# KiCad board T248 Reverse engeneer.kicad_pcb
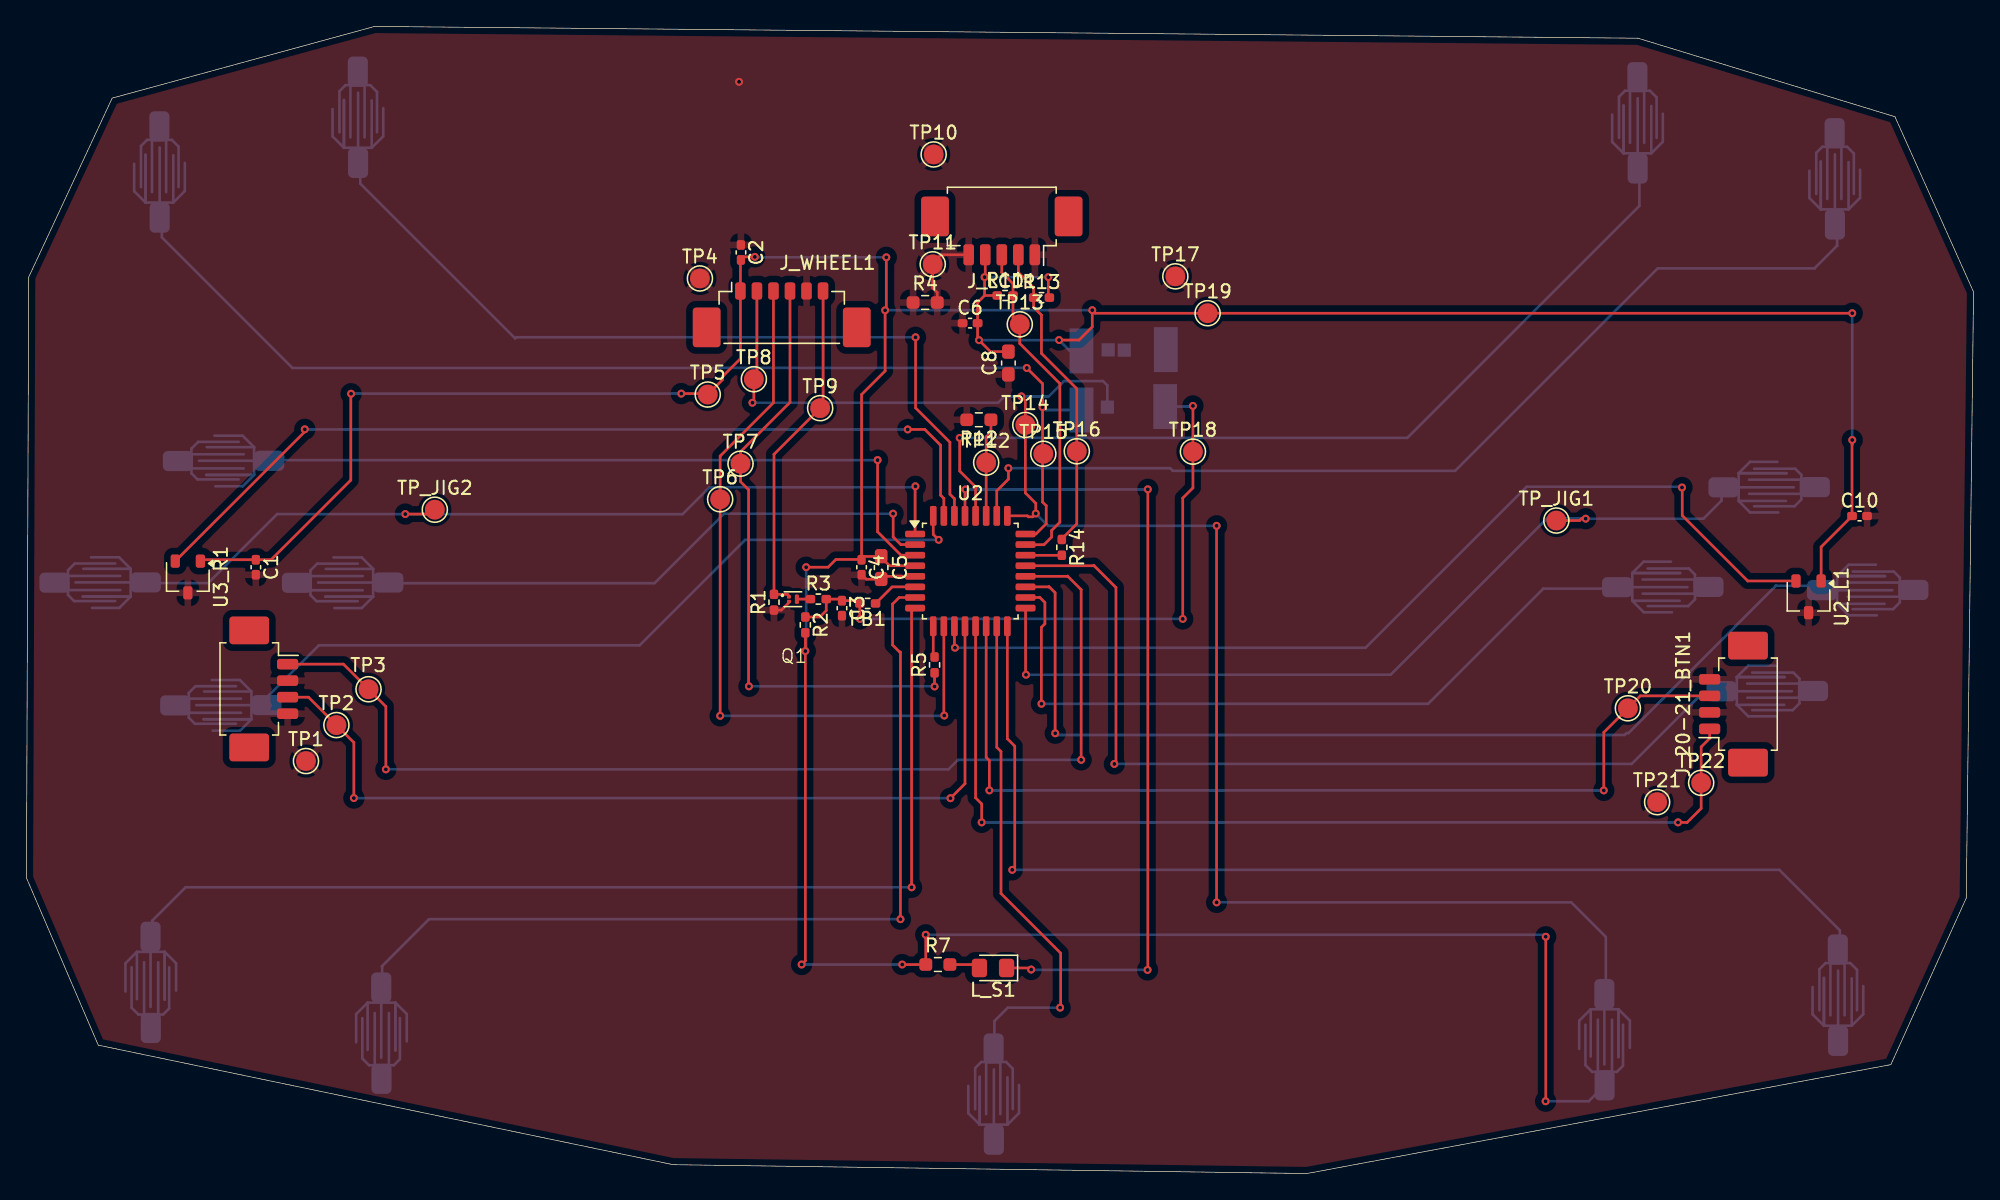
[diagram p0: board, top side]
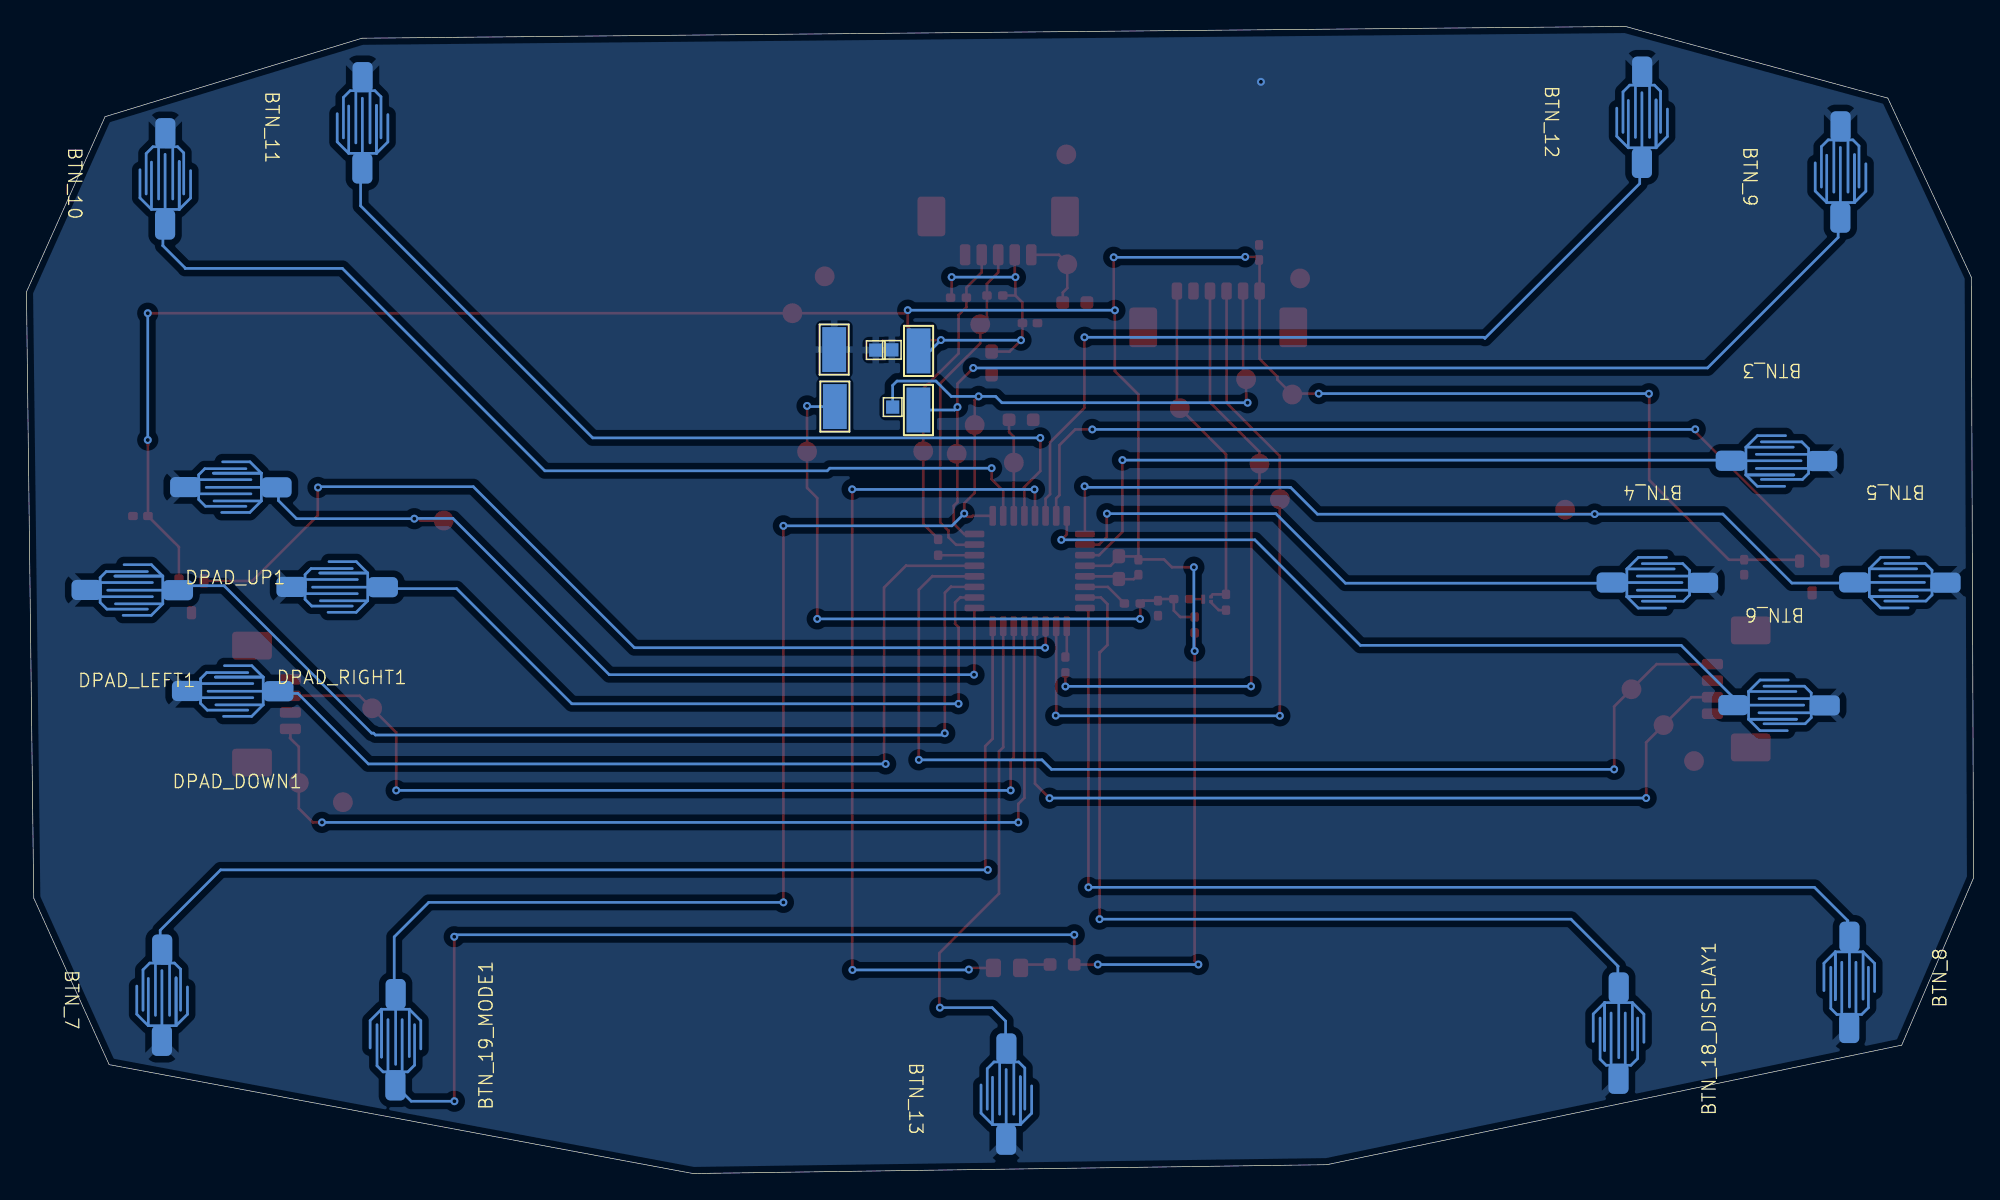
[diagram p1: board, bottom side, seen from below]

Outline 147.19 x 86.76 mm; copper layers: Top, Bottom. Coordinates in mm from the lower left corner of the outline.
Outline path: 0,22.36 0.17,67.8 6.48,81.34 26.31,86.76 121.82,85.87 141.25,79.93 147.19,66.68 146.64,20.84 140.94,8.24 96.78,0 48.88,0.67 5.43,9.71 0,22.36
Stack: Top 0.035mm / dielectric 1.51mm FR4 er 4.5 / Bottom 0.035mm

## Placement (name value [footprint] x y rotation side)
BTN_3  SW_Push  [Rubberdome PCB Steering Wheel]  15.24 53.24 0 bottom
BTN_4  SW_Push  [Rubberdome PCB Steering Wheel]  24.24 44.03 0 bottom
BTN_5  SW_Push  [Rubberdome PCB Steering Wheel]  5.91 44.04 0 bottom
BTN_6  SW_Push  [Rubberdome PCB Steering Wheel]  15.04 34.76 0 bottom
BTN_7  SW_Push  [Rubberdome PCB Steering Wheel]  136.28 13.15 270 bottom
BTN_8  SW_Push  [Rubberdome PCB Steering Wheel]  10.05 14.8 90 bottom
BTN_9  SW_Push  [Rubberdome PCB Steering Wheel]  9.4 75.41 270 bottom
BTN_10  SW_Push  [Rubberdome PCB Steering Wheel]  136.04 74.89 270 bottom
BTN_11  SW_Push  [Rubberdome PCB Steering Wheel]  121.13 79.13 270 bottom
BTN_12  SW_Push  [Rubberdome PCB Steering Wheel]  24.4 79.55 270 bottom
BTN_13  SW_Push  [Rubberdome PCB Steering Wheel]  72.46 5.67 270 bottom
BTN_18_DISPLAY1  SW_Push  [Rubberdome PCB Steering Wheel]  27.49 10.96 90 bottom
BTN_19_MODE1  SW_Push  [Rubberdome PCB Steering Wheel]  119.95 10.46 90 bottom
C1  C  [C_0402_1005Metric_Pad0.74x0.62mm_HandSolder]  17.34 45.86 270 top
C2  C  [C_0402_1005Metric_Pad0.74x0.62mm_HandSolder]  54.01 69.67 270 top
C3  C  [C_0402_1005Metric_Pad0.74x0.62mm_HandSolder]  61.65 42.76 270 top
C4  C  [C_0402_1005Metric_Pad0.74x0.62mm_HandSolder]  63.13 45.86 270 top
C5  C  [C_0603_1608Metric_Pad1.08x0.95mm_HandSolder]  64.61 45.83 270 top
C6  C  [C_0402_1005Metric_Pad0.74x0.62mm_HandSolder]  71.33 64.32 0 top
C8  C  [C_0603_1608Metric_Pad1.08x0.95mm_HandSolder]  74.23 61.3 90 top
C10  C  [C_0402_1005Metric_Pad0.74x0.62mm_HandSolder]  138.57 49.73 0 top
DPAD_DOWN1  SW_Push  [Rubberdome PCB Steering Wheel]  131.26 37.15 180 bottom
DPAD_LEFT1  SW_Push  [Rubberdome PCB Steering Wheel]  138.85 44.79 180 bottom
DPAD_RIGHT1  SW_Push  [Rubberdome PCB Steering Wheel]  123.36 45.02 180 bottom
DPAD_UP1  SW_Push  [Rubberdome PCB Steering Wheel]  131.4 52.57 180 bottom
FB1  0.5  [R_0402_1005Metric_Pad0.72x0.64mm_HandSolder]  63.59 43.12 180 top
J_20-21_BTN1  Conn_01x04  [Molex_PicoBlade_53261-0471_1x04-1MP_P1.25mm_Horizontal]  129.64 35.5 90 top
J_22-23_BTN1  Conn_01x04  [Molex_PicoBlade_53261-0471_1x04-1MP_P1.25mm_Horizontal]  17.34 36.66 270 top
J_DEBUG_1  TestPoint  [TestPoint_Keystone_5015_Micro-Minature]  79.75 62.22 270 bottom
J_DEBUG_2  TestPoint  [TestPoint_Pad_1.0x1.0mm]  81.77 62.3 180 bottom
J_DEBUG_3  TestPoint  [TestPoint_Pad_1.0x1.0mm]  82.99 62.28 180 bottom
J_DEBUG_5  TestPoint  [TestPoint_Keystone_5015_Micro-Minature]  86.13 62.32 90 bottom
J_DEBUG_6  TestPoint  [TestPoint_Keystone_5015_Micro-Minature]  86.08 58.01 90 bottom
J_DEBUG_9  TestPoint  [TestPoint_Pad_1.0x1.0mm]  81.71 57.97 180 bottom
J_DEBUG_10  TestPoint  [TestPoint_Keystone_5015_Micro-Minature]  79.76 57.75 90 bottom
J_LCD1  Conn_01x05  [Molex_PicoBlade_53261-0571_1x05-1MP_P1.25mm_Horizontal]  73.73 71.89 180 top
J_WHEEL1  Conn_01x06  [Molex_PicoBlade_53398-0671_1x06-1MP_P1.25mm_Vertical]  57.09 65.5 0 top
L_S1  LED  [LED_0805_2012Metric_Pad1.15x1.40mm_HandSolder]  73.06 15.55 180 top
Q1  Q_NMOS_DGS  [0806 mosfet]  57.95 43.42 0 top
R1  10k  [R_0402_1005Metric_Pad0.72x0.64mm_HandSolder]  56.51 43.21 90 top
R2  10k  [R_0402_1005Metric_Pad0.72x0.64mm_HandSolder]  58.88 41.5 270 top
R3  33  [R_0402_1005Metric_Pad0.72x0.64mm_HandSolder]  59.86 43.45 0 top
R4  0  [R_0603_1608Metric_Pad0.98x0.95mm_HandSolder]  67.94 65.88 0 top
R5  27.5  [R_0402_1005Metric_Pad0.72x0.64mm_HandSolder]  68.65 38.47 90 top
R7  100  [R_0603_1608Metric_Pad0.98x0.95mm_HandSolder]  68.9 15.81 0 top
R11  4.7k  [R_0402_1005Metric_Pad0.72x0.64mm_HandSolder]  73.98 66.41 0 top
R12  100  [R_0603_1608Metric_Pad0.98x0.95mm_HandSolder]  72 57.01 180 top
R13  4.7 k  [R_0402_1005Metric_Pad0.72x0.64mm_HandSolder]  76.73 66.25 0 top
R14  27.5  [R_0402_1005Metric_Pad0.72x0.64mm_HandSolder]  78.27 47.36 270 top
TP1  TestPoint  [TestPoint_Pad_D1.5mm]  21.13 31.2 0 top
TP2  TestPoint  [TestPoint_Pad_D1.5mm]  23.43 33.92 0 top
TP3  TestPoint  [TestPoint_Pad_D1.5mm]  25.86 36.63 0 top
TP4  TestPoint  [TestPoint_Pad_D1.5mm]  50.91 67.7 0 top
TP5  TestPoint  [TestPoint_Pad_D1.5mm]  51.5 58.92 0 top
TP6  TestPoint  [TestPoint_Pad_D1.5mm]  52.44 51 0 top
TP7  TestPoint  [TestPoint_Pad_D1.5mm]  53.98 53.69 0 top
TP8  TestPoint  [TestPoint_Pad_D1.5mm]  54.99 60.08 0 top
TP9  TestPoint  [TestPoint_Pad_D1.5mm]  60 57.89 0 top
TP10  TestPoint  [TestPoint_Pad_D1.5mm]  68.58 77.08 0 top
TP11  TestPoint  [TestPoint_Pad_D1.5mm]  68.51 68.77 0 top
TP12  TestPoint  [TestPoint_Pad_D1.5mm]  72.55 53.77 0 top
TP13  TestPoint  [TestPoint_Pad_D1.5mm]  75.09 64.23 0 top
TP14  TestPoint  [TestPoint_Pad_D1.5mm]  75.51 56.62 0 top
TP15  TestPoint  [TestPoint_Pad_D1.5mm]  76.87 54.44 0 top
TP16  TestPoint  [TestPoint_Pad_D1.5mm]  79.4 54.63 0 top
TP17  TestPoint  [TestPoint_Pad_D1.5mm]  86.85 67.86 0 top
TP18  TestPoint  [TestPoint_Pad_D1.5mm]  88.18 54.6 0 top
TP19  TestPoint  [TestPoint_Pad_D1.5mm]  89.29 65.07 0 top
TP20  TestPoint  [TestPoint_Pad_D1.5mm]  121.06 35.19 0 top
TP21  TestPoint  [TestPoint_Pad_D1.5mm]  123.27 28.09 0 top
TP22  TestPoint  [TestPoint_Pad_D1.5mm]  126.6 29.55 0 top
TP_JIG1  TestPoint  [TestPoint_Pad_D1.5mm]  115.65 49.39 0 top
TP_JIG2  TestPoint  [TestPoint_Pad_D1.5mm]  30.87 50.21 0 top
U2  STM32G030K6Tx  [LQFP-32_7x7mm_P0.8mm]  71.35 45.57 0 top
U2_L1  A1101ELHL  [SOT-23W]  134.72 43.62 270 top
U3_R1  A1101ELHL  [SOT-23W]  12.2 45.12 270 top

## Library data of the parts
BTN_3-BTN_13 BTN_18_DISPLAY1 BTN_19_MODE1 DPAD_DOWN1 DPAD_LEFT1 DPAD_RIGHT1 DPAD_UP1 = -: Description: Push button switch, generic, two pins
C1-C6 C8 C10 = -: Description: Unpolarized capacitor; ki_fp_filters: C_*
FB1 R1-R5 R7 R11-R14 = -: Description: Resistor; ki_fp_filters: R_*
J_20-21_BTN1 J_22-23_BTN1 = -: Description: Generic connector, single row, 01x04, script generated (kicad-library-utils/schlib/autogen/connector/); ki_fp_filters: Connector*:*_1x??_*
J_DEBUG_1-J_DEBUG_3 J_DEBUG_5 J_DEBUG_6 J_DEBUG_9 J_DEBUG_10 TP1-TP22 TP_JIG1 TP_JIG2 = -: Description: test point; ki_fp_filters: Pin* Test*
J_LCD1 = -: Description: Generic connector, single row, 01x05, script generated (kicad-library-utils/schlib/autogen/connector/); ki_fp_filters: Connector*:*_1x??_*
J_WHEEL1 = -: Description: Generic connector, single row, 01x06, script generated (kicad-library-utils/schlib/autogen/connector/); ki_fp_filters: Connector*:*_1x??_*
L_S1 = -: Description: Light emitting diode; ki_fp_filters: LED* LED_SMD:* LED_THT:*
Q1 = -: Description: N-MOSFET transistor, drain/gate/source
U2 = -: Datasheet: https://www.st.com/resource/en/datasheet/stm32g030k6.pdf; Description: STMicroelectronics Arm Cortex-M0+ MCU, 32KB flash, 8KB RAM, 64 MHz, 2.0-3.6V, 29 GPIO, LQFP32; ki_fp_filters: LQFP*7x7mm*P0.8mm*
U2_L1 U3_R1 = -: Datasheet: https://www.allegromicro.com/-/media/files/datasheets/a110x-datasheet.ashx; Description: Hall effect switch, unipolar, Bop=100G, Brp=45G, -40C to +85C, SOT-23W; ki_fp_filters: SOT?23*

## Footprints (pads in the part's own frame, mm; a bottom-side part is the same pattern mirrored in y, then rotated)
0806 mosfet
  rrect 0.3x0.7 smd: 1(0.29,0.02)
  rrect 0.3x0.25 smd: 2(-0.31,0.195) 3(-0.31,-0.155)
C_0402_1005Metric_Pad0.74x0.62mm_HandSolder
  rrect 0.735x0.62 smd: 1(-0.568,0) 2(0.568,0)
C_0603_1608Metric_Pad1.08x0.95mm_HandSolder
  rrect 1.075x0.95 smd: 1(-0.863,0) 2(0.863,0)
LED_0805_2012Metric_Pad1.15x1.40mm_HandSolder
  rrect 1.15x1.4 smd: 1(-1.025,0) 2(1.025,0)
LQFP-32_7x7mm_P0.8mm
  rrect 1.5x0.5 smd: 1(-4.175,2.8) 2(-4.175,2) 3(-4.175,1.2) 4(-4.175,0.4) 5(-4.175,-0.4) 6(-4.175,-1.2) 7(-4.175,-2) 8(-4.175,-2.8) 17(4.175,-2.8) 18(4.175,-2) 19(4.175,-1.2) 20(4.175,-0.4) 21(4.175,0.4) 22(4.175,1.2) 23(4.175,2) 24(4.175,2.8)
  rrect 0.5x1.5 smd: 9(-2.8,-4.175) 10(-2,-4.175) 11(-1.2,-4.175) 12(-0.4,-4.175) 13(0.4,-4.175) 14(1.2,-4.175) 15(2,-4.175) 16(2.8,-4.175) 25(2.8,4.175) 26(2,4.175) 27(1.2,4.175) 28(0.4,4.175) 29(-0.4,4.175) 30(-1.2,4.175) 31(-2,4.175) 32(-2.8,4.175)
Molex_PicoBlade_53261-0471_1x04-1MP_P1.25mm_Horizontal
  rrect 0.8x1.6 smd: 1(-1.875,2.4) 2(-0.625,2.4) 3(0.625,2.4) 4(1.875,2.4)
  rrect 2.1x3 smd: MP(-4.425,-0.5) MP(4.425,-0.5)
Molex_PicoBlade_53261-0571_1x05-1MP_P1.25mm_Horizontal
  rrect 0.8x1.6 smd: 1(-2.5,2.4) 2(-1.25,2.4) 3(0,2.4) 4(1.25,2.4) 5(2.5,2.4)
  rrect 2.1x3 smd: MP(-5.05,-0.5) MP(5.05,-0.5)
Molex_PicoBlade_53398-0671_1x06-1MP_P1.25mm_Vertical
  rrect 0.8x1.3 smd: 1(-3.125,1.25) 2(-1.875,1.25) 3(-0.625,1.25) 4(0.625,1.25) 5(1.875,1.25) 6(3.125,1.25)
  rrect 2.1x3 smd: MP(-5.675,-1.5) MP(5.675,-1.5)
R_0402_1005Metric_Pad0.72x0.64mm_HandSolder
  rrect 0.715x0.64 smd: 1(-0.598,0) 2(0.598,0)
R_0603_1608Metric_Pad0.98x0.95mm_HandSolder
  rrect 0.975x0.95 smd: 1(-0.912,0) 2(0.912,0)
Rubberdome PCB Steering Wheel
  rrect 2.286x1.524 smd: 1(3.11,-0.67) 2(-3.79,-0.65)
SOT-23W
  rrect 1x0.7 smd: 1(-1.2,0.95) 2(-1.2,-0.95) 3(1.2,0)
TestPoint_Keystone_5015_Micro-Minature
  rect 3.4x1.8 smd: 1(0,0)
TestPoint_Pad_1.0x1.0mm
  rect 1x1 smd: 1(0,0)
TestPoint_Pad_D1.5mm
  round 1.5 smd: 1(0,0)

## Nets
+3V3: BTN_19_MODE1.2 C1.1 C2.2 C4.1 C5.1 C6.2 C8.2 C10.1 J_DEBUG_1.1 J_LCD1.4 J_WHEEL1.1 R2.2 R7.1 R11.1 R13.2 TP5.1 TP19.1 U2.4 U2_L1.1 U3_R1.1
GND: BTN_3.2 BTN_4.2 BTN_5.2 BTN_6.2 BTN_7.1 BTN_8.2 BTN_9.2 BTN_10.2 BTN_11.2 BTN_12.2 BTN_13.1 BTN_18_DISPLAY1.2 C1.2 C2.1 C3.2 C4.2 C5.2 C6.1 C8.1 C10.2 DPAD_DOWN1.2 DPAD_LEFT1.2 DPAD_RIGHT1.2 DPAD_UP1.2 J_20-21_BTN1.2 J_20-21_BTN1.4 J_22-23_BTN1.2 J_22-23_BTN1.4 J_DEBUG_2.1 J_DEBUG_3.1 J_DEBUG_5.1 J_LCD1.1 J_LCD1.5 J_WHEEL1.5 Q1.3 R1.1 R4.1 R4.2 R12.2 TP1.1 TP4.1 TP10.1 TP11.1 TP17.1 TP21.1 U2.5 U2_L1.3 U3_R1.3
NRST: FB1.1 U2.6
PA0: BTN_18_DISPLAY1.1 U2.7
PA1: BTN_8.1 U2.8
PA2: R5.2 U2.9
PA3: J_WHEEL1.3 TP6.1 U2.10
PA4: U2.11 U2_L1.2
PA5: J_22-23_BTN1.3 TP2.1 U2.12
PA6: J_20-21_BTN1.1 TP22.1 U2.13
PA7: J_20-21_BTN1.3 TP20.1 U2.14
PA8: DPAD_RIGHT1.1 U2.18
PA9: DPAD_LEFT1.1 U2.19
PA10: DPAD_DOWN1.1 U2.21
PA11: R14.2 U2.22
PA12: J_LCD1.3 R11.2 TP13.1 U2.23
PA13: BTN_9.1 J_DEBUG_10.1 TP15.1 U2.24
PA14: BTN_19_MODE1.1 J_DEBUG_9.1 J_WHEEL1.2 TP8.1 TP14.1 U2.25
PA15: BTN_10.1 U2.26
PB0: BTN_13.2 U2.15
PB1: BTN_7.2 U2.16
PB2: DPAD_UP1.1 TP_JIG1.1 U2.17
PB3: R12.1 TP12.1 U2.27
PB4: BTN_11.1 U2.28
PB5: L_S1.1 U2.29
PB6: BTN_12.1 U2.30
PB7: U2.31 U3_R1.2
PB8: BTN_6.1 U2.32
PB9: BTN_5.1 TP_JIG2.1 U2.1
PC6: J_22-23_BTN1.1 TP3.1 U2.20
PC14: BTN_4.1 U2.2
PC15: BTN_3.1 U2.3
RESET: J_WHEEL1.6 Q1.2 R1.2 TP9.1
SCL: J_LCD1.2 R13.1 R14.1 TP16.1
Net-(C3-Pad1): C3.1 FB1.2 J_DEBUG_6.1 R2.1 R3.2 TP18.1
Net-(J_WHEEL1-Pin_4): J_WHEEL1.4 R5.1 TP7.1
Net-(L_S1-A): L_S1.2 R7.2
Net-(Q1-D): Q1.1 R3.1

Pads without a net: J_20-21_BTN1 MP; J_22-23_BTN1 MP; J_LCD1 MP; J_WHEEL1 MP

## Via types
v1: diameter 0.6, hole 0.3, Top to Bottom, 67 vias

## Routing (per net, layer and track width the routed paths; a pad name or vN(x,y) marks a point on that pad's centre or on a via; arc(x,y) is an arc through that point)
+3V3: length 332.8
  Top w0.2: 67.17,45.97 65.24,45.97 64.54,46.67 63.36,46.67 63.13,46.44 ; v1(58.6,15.81) 58.88,16.09 v1(58.88,39.52) R2.2 ; v1(138.02,55.48) 138.02,55.16 138,55.14 138,49.73 135.67,47.39 U2_L1.1 ; v1(65,69.3) 65,65.38 v1(64.91,65.29) 64.91,60.7 63.13,58.92 63.13,46.44 ; TP5.1 51.51,58.93 ; 51.51,58.93 51.45,58.99 v1(49.5,58.99) ; 51.51,58.93 52.63,60.05 52.63,60.29 53.97,61.63 J_WHEEL1.1 53.97,69.06 C2.2 54.24,69.33 v1(55.06,69.33) ; J_LCD1.4 72.48,67.85 v1(72.43,67.8) 72.43,66.41 ; 74.23,62.17 72.87,62.17 v1(72.01,63.03) 71.9,63.14 C6.2 71.9,65.88 72.43,66.41 ; 63.13,46.44 61.18,46.44 60.6,45.86 v1(58.94,45.86) ; 72.43,66.41 R11.1 ; v1(138.02,65.07) TP19.1 80.8,65.07 v1(80.57,65.3) 80.57,64.04 79.57,63.04 v1(78.06,63.04) ; v1(66.2,15.81) R7.1 67.98,18.06 v1(67.98,18.06) ; v1(114.85,17.91) 114.85,5.48 v1(114.84,5.47) ; v1(77.25,67.8) 77.25,66.33 R13.2 ; v1(24.54,58.98) 24.52,58.96 24.52,52.45 18.49,46.42 C1.1 13.25,46.42 U3_R1.1
  Bottom w0.2: v1(64.91,65.29) 64.92,65.3 v1(80.57,65.3) ; v1(49.5,58.99) 24.55,58.99 v1(24.54,58.98) ; v1(138.02,65.07) v1(138.02,55.48) ; v1(65,69.3) 55.09,69.3 v1(55.06,69.33) ; v1(67.98,18.06) 114.7,18.06 v1(114.85,17.91) ; v1(58.88,39.52) 58.94,39.58 v1(58.94,45.86) ; v1(114.84,5.47) 118.1,5.47 119.02,6.39 ; v1(72.01,63.03) 78.05,63.03 v1(78.06,63.04) 78.88,62.22 J_DEBUG_1.1 ; v1(66.2,15.81) v1(58.6,15.81) ; v1(72.43,67.8) v1(77.25,67.8)
GND: length 12.1
  Top w0.2: R4.2 68.85,66.63 68.51,66.97 TP11.1 68.51,68.85 69.15,69.49 J_LCD1.5 ; 63.13,45.31 63.49,44.95 64.54,44.95 ; 56.51,42.61 57.06,42.61 57.64,43.19 ; 64.78,45.19 64.54,44.95 ; 64.54,44.95 64.76,45.17 67.17,45.17
  vias: v1(53.87,82.57)
NRST: length 3.5
  Top w0.2: 67.17,44.37 65.44,44.37 FB1.1
PA0: length 68.2
  Top w0.2: v1(66.07,19.24) 66.07,39.44 66.01,39.44 65.47,39.98 65.47,43.07 65.97,43.57 67.17,43.57
  Bottom w0.2: v1(66.07,19.24) 30.43,19.24 26.87,15.68 26.89,15.66 26.89,14.71 26.54,14.35
PA1: length 81.3
  Top w0.2: 67.17,42.77 66.91,42.5 v1(66.91,21.65)
  Bottom w0.2: 9.1,17.67 9.54,18.12 9.54,19.08 9.5,19.12 12.03,21.65 v1(66.91,21.65)
PA2: length 3.1
  Top w0.2: 68.58,40.89 68.58,40.89 68.58,41.42 68.58,41.3 68.65,41.23 ; R5.2 68.55,39.17 U2.9
PA3: length 58
  Top w0.2: 52.61,50.64 52.61,50.83 TP6.1 ; U2.10 69.35,34.67 v1(69.38,34.64) 69.39,34.64 ; J_WHEEL1.3 56.47,58.3 52.44,54.27 TP6.1 ; TP6.1 v1(52.44,34.62)
  Bottom w0.2: v1(69.38,34.64) 69.36,34.62 v1(52.44,34.62)
PA4: length 74.4
  Top w0.2: U2.11 70.15,39.81 v1(70.19,39.77) ; v1(125.15,51.89) 125.17,51.87 125.17,49.77 130.12,44.82 U2_L1.2
  Bottom w0.2: v1(125.15,51.89) 125.09,51.95 113.41,51.95 101.23,39.77 v1(70.19,39.77)
PA5: length 69.2
  Top w0.2: U2.12 70.95,29.49 v1(69.85,28.39) ; J_22-23_BTN1.3 21.32,36.03 TP2.1 24.75,32.6 v1(24.75,28.4)
  Bottom w0.2: v1(69.85,28.39) 69.84,28.4 v1(24.75,28.4)
PA6: length 76.2
  Top w0.2: U2.13 71.75,28.42 72.21,27.96 v1(72.21,26.56) ; v1(124.85,26.56) 125.54,26.56 126.6,27.62 TP22.1 126.6,32.27 127.27,32.94 127.24,32.97 J_20-21_BTN1.1
  Bottom w0.2: v1(72.21,26.56) v1(124.85,26.56)
PA7: length 72.5
  Top w0.2: v1(72.79,28.98) 72.79,31.24 72.55,31.48 U2.14 ; v1(119.24,28.98) 119.24,33.37 TP20.1 122,36.13 J_20-21_BTN1.3
  Bottom w0.2: v1(72.79,28.98) v1(119.24,28.98)
PA8: length 56.3
  Top w0.2: U2.18 76.57,43.57 76.59,43.59 76.99,43.19 76.99,41.58 76.72,41.31 76.72,35.54 v1(76.73,35.53)
  Bottom w0.2: 119.97,44.07 119.79,44.24 114.67,44.24 105.96,35.53 v1(76.73,35.53)
PA9: length 75.5
  Top w0.2: v1(77.77,33.3) 77.76,33.31 77.76,43.93 77.3,44.39 77.28,44.37 U2.19
  Bottom w0.2: 135.46,44.4 135.4,44.46 132.25,44.46 121.1,33.31 120.95,33.31 120.81,33.17 77.9,33.17 v1(77.77,33.3)
PA10: length 68.8
  Top w0.2: U2.21 80.67,45.97 80.69,45.99 82.36,44.32 82.36,31.1 v1(82.24,30.98)
  Bottom w0.2: 127.87,36.2 127.75,36.31 126.67,36.31 121.34,30.98 v1(82.24,30.98)
PA11: length 3
  Top w0.2: 75.3,46.76 78.27,46.76 R14.2 78.24,46.79
PA12: length 25.9
  Top w0.2: 75.3,47.56 76.92,47.56 77.49,48.13 77.49,48.63 78.12,49.26 78.12,59.75 75.09,62.78 TP13.1 74.58,64.74 R11.2 74.58,67.3 73.73,68.15 J_LCD1.3
PA13: length 88.1
  Top w0.2: v1(75.62,60.93) 76.81,59.74 v1(76.81,57.97) 76.81,50.79 77.09,50.51 77.09,49.15 76.31,48.37 U2.24
  Bottom w0.2: 10.35,72.02 10.24,71.9 10.24,70.8 20.11,60.93 v1(75.62,60.93) ; v1(76.81,57.97) 77.03,57.75 J_DEBUG_10.1
PA14: length 126.7
  Top w0.2: 74.15,49.75 75.67,49.75 75.74,49.67 76.05,49.67 v1(76.3,49.92) 76.3,50.69 75.51,51.48 TP14.1 75.51,58.48 v1(75.21,58.78) ; v1(89.97,48.99) v1(89.97,20.51) ; J_WHEEL1.2 55.22,60.31 TP8.1 54.99,58.41 v1(54.88,58.3)
  Bottom w0.2: v1(54.88,58.3) 73.45,58.3 73.93,58.78 v1(75.21,58.78) 77.28,58.78 78.44,59.94 81.38,59.94 81.71,59.61 J_DEBUG_9.1 ; 119,13.85 119.39,14.25 119.39,17.9 116.78,20.51 v1(89.97,20.51) ; v1(89.97,48.99) 77.23,48.99 v1(76.3,49.92)
PA15: length 75.1
  Top w0.2: v1(74.23,53.35) 74.23,52.52 73.35,51.64 73.35,49.75
  Bottom w0.2: v1(74.23,53.35) 86.46,53.35 86.66,53.15 108,53.15 123.31,68.46 135.19,68.46 135.19,68.49 136.88,70.18 136.88,70.18 136.88,71.38 136.99,71.5
PB0: length 38.2
  Top w0.2: v1(78.14,12.55) 78.18,12.59 78.18,16.67 73.67,21.18 73.67,31.92 73.35,32.24 U2.15
  Bottom w0.2: 72.83,9.74 73.17,10.09 73.17,11.53 74.19,12.55 v1(78.14,12.55)
PB1: length 84.5
  Top w0.2: U2.16 74.15,32.89 74.71,32.33 74.71,23.16 v1(74.52,22.97)
  Bottom w0.2: v1(74.52,22.97) 132.51,22.97 137.08,18.4 137.08,17.66 136.65,17.22
PB2: length 66.2
  Top w0.2: v1(75.56,37.73) 75.52,37.77 U2.17 ; TP_JIG1.1 117.41,49.39 117.55,49.53 v1(117.87,49.53)
  Bottom w0.2: 128.01,51.62 128.14,51.48 128.14,50.9 126.77,49.53 v1(117.87,49.53) 117.85,49.55 114.95,49.55 103.13,37.73 v1(75.56,37.73)
PB3: length 7.5
  Top w0.2: 72.55,49.8 72.58,49.77 ; 72.55,49.75 TP12.1 72.55,55.72 72.91,56.08 R12.1
PB4: length 67.7
  Top w0.2: v1(70.55,55.64) 70.55,53.13 71.78,51.89 71.75,51.86 71.75,49.75
  Bottom w0.2: 122.08,75.74 121.93,75.58 121.93,73.19 104.38,55.64 v1(70.55,55.64)
PB5: length 62.9
  Top w0.2: 70.95,49.75 70.95,51.7 v1(70.99,51.74) ; v1(84.77,51.75) 84.77,15.42 v1(84.75,15.4) ; L_S1.1 75.83,15.55 v1(75.95,15.43)
  Bottom w0.2: v1(84.75,15.4) 75.98,15.4 v1(75.95,15.43) ; v1(70.99,51.74) 84.76,51.74 v1(84.77,51.75)
PB6: length 62.9
  Top w0.2: 70.15,49.75 70.15,51.04 69.81,51.38 69.81,55.31 67.21,57.91 v1(67.21,63.25)
  Bottom w0.2: v1(67.21,63.25) 37.02,63.25 36.94,63.17 25.24,74.87 25.24,76.04 25.35,76.16
PB7: length 68
  Top w0.2: 69.35,49.75 69.35,51.06 69.1,51.31 69.1,55.09 67.91,56.28 v1(66.62,56.28) ; v1(21.04,56.29) 21.04,56.11 U3_R1.2
  Bottom w0.2: v1(66.62,56.28) 21.05,56.28 v1(21.04,56.29)
PB8: length 58
  Top w0.2: 68.55,49.75 68.55,48.34 v1(68.96,47.93)
  Bottom w0.2: v1(68.96,47.93) 54.33,47.93 46.35,39.95 22.1,39.95 18.32,36.17 18.32,35.83 18.43,35.71
PB9: length 67.1
  Top w0.2: 67.21,51.97 v1(67.2,51.98) 67.17,51.95 67.17,48.37 ; v1(28.64,49.88) 30.62,49.88 30.87,50.13 TP_JIG2.1
  Bottom w0.2: v1(67.2,51.98) 67.12,51.9 51.63,51.9 49.6,49.87 28.65,49.87 v1(28.64,49.88) 18.95,49.88 13.73,44.66 9.64,44.66 9.3,44.99
PC6: length 83.9
  Top w0.2: J_22-23_BTN1.1 23.96,38.53 TP3.1 27.17,35.32 v1(27.17,30.57) ; U2.20 78.68,45.17 78.7,45.19 79.73,44.16 v1(79.73,31.29)
  Bottom w0.2: v1(27.17,30.57) 69.7,30.57 70.42,31.29 v1(79.73,31.29)
PC14: length 43.9
  Top w0.2: 67.17,47.57 66.1,47.57 65.52,48.15 65.52,49.9 v1(65.51,49.91)
  Bottom w0.2: v1(65.51,49.91) 52.74,49.91 47.48,44.65 27.97,44.65 27.63,44.98
PC15: length 54.8
  Top w0.2: v1(64.34,53.96) 64.34,48.54 66.11,46.77 67.17,46.77
  Bottom w0.2: 18.63,54.19 18.87,53.96 v1(64.34,53.96)
RESET: length 25.7
  Top w0.2: J_WHEEL1.6 60.22,58.16 60,57.94 TP9.1 56.51,54.4 R1.2 57.52,43.81 57.64,43.69
SCL: length 23.8
  Top w0.2: R14.1 78.27,48.01 79.4,49.14 TP16.1 79.4,59.36 76.73,62.03 76.73,64.93 76.13,65.53 76.14,65.53 R13.1 76.14,67 74.98,68.16 J_LCD1.2
Net-(C3-Pad1): length 49.4
  Top w0.2: v1(63.01,41.95) 62.99,41.97 FB1.2 62.78,43.33 C3.1 61.53,43.45 R3.2 60.46,42.58 59.97,42.09 R2.1 ; v1(88.18,58.06) TP18.1 88.18,51.86 87.41,51.09 v1(87.41,41.95)
  Bottom w0.2: v1(63.01,41.95) v1(87.41,41.95) ; v1(88.18,58.06) 88.13,58.01 J_DEBUG_6.1
Net-(J_WHEEL1-Pin_4): length 46.8
  Top w0.2: v1(68.65,36.84) R5.1 ; v1(54.62,36.85) 54.59,36.88 54.59,51.72 53.98,52.33 TP7.1 53.98,54.59 57.72,58.33 J_WHEEL1.4
  Bottom w0.2: v1(68.65,36.84) 68.64,36.85 v1(54.62,36.85)
Net-(L_S1-A): length 2.3
  Top w0.2: R7.2 71.78,15.81 L_S1.2
Net-(Q1-D): length 1
  Top w0.2: R3.1 58.25,43.45 Q1.1

## Copper pours and planes (outline as drawn; the poured copper is in the pictures)
GND on Top, Bottom: 147.15,66.7 141.27,79.94 121.8,85.88 26.32,86.76 6.47,81.36 0.18,67.82 -0.01,22.41 5.46,9.73 48.89,0.69 96.78,0 140.93,8.27 146.65,20.87
